# Altium PCB RK_NVR_DEMO1_RK3588_LP4XD200P232SD8_V21_20211228_final_lint.PcbDoc (part 26 of 29) (continued)
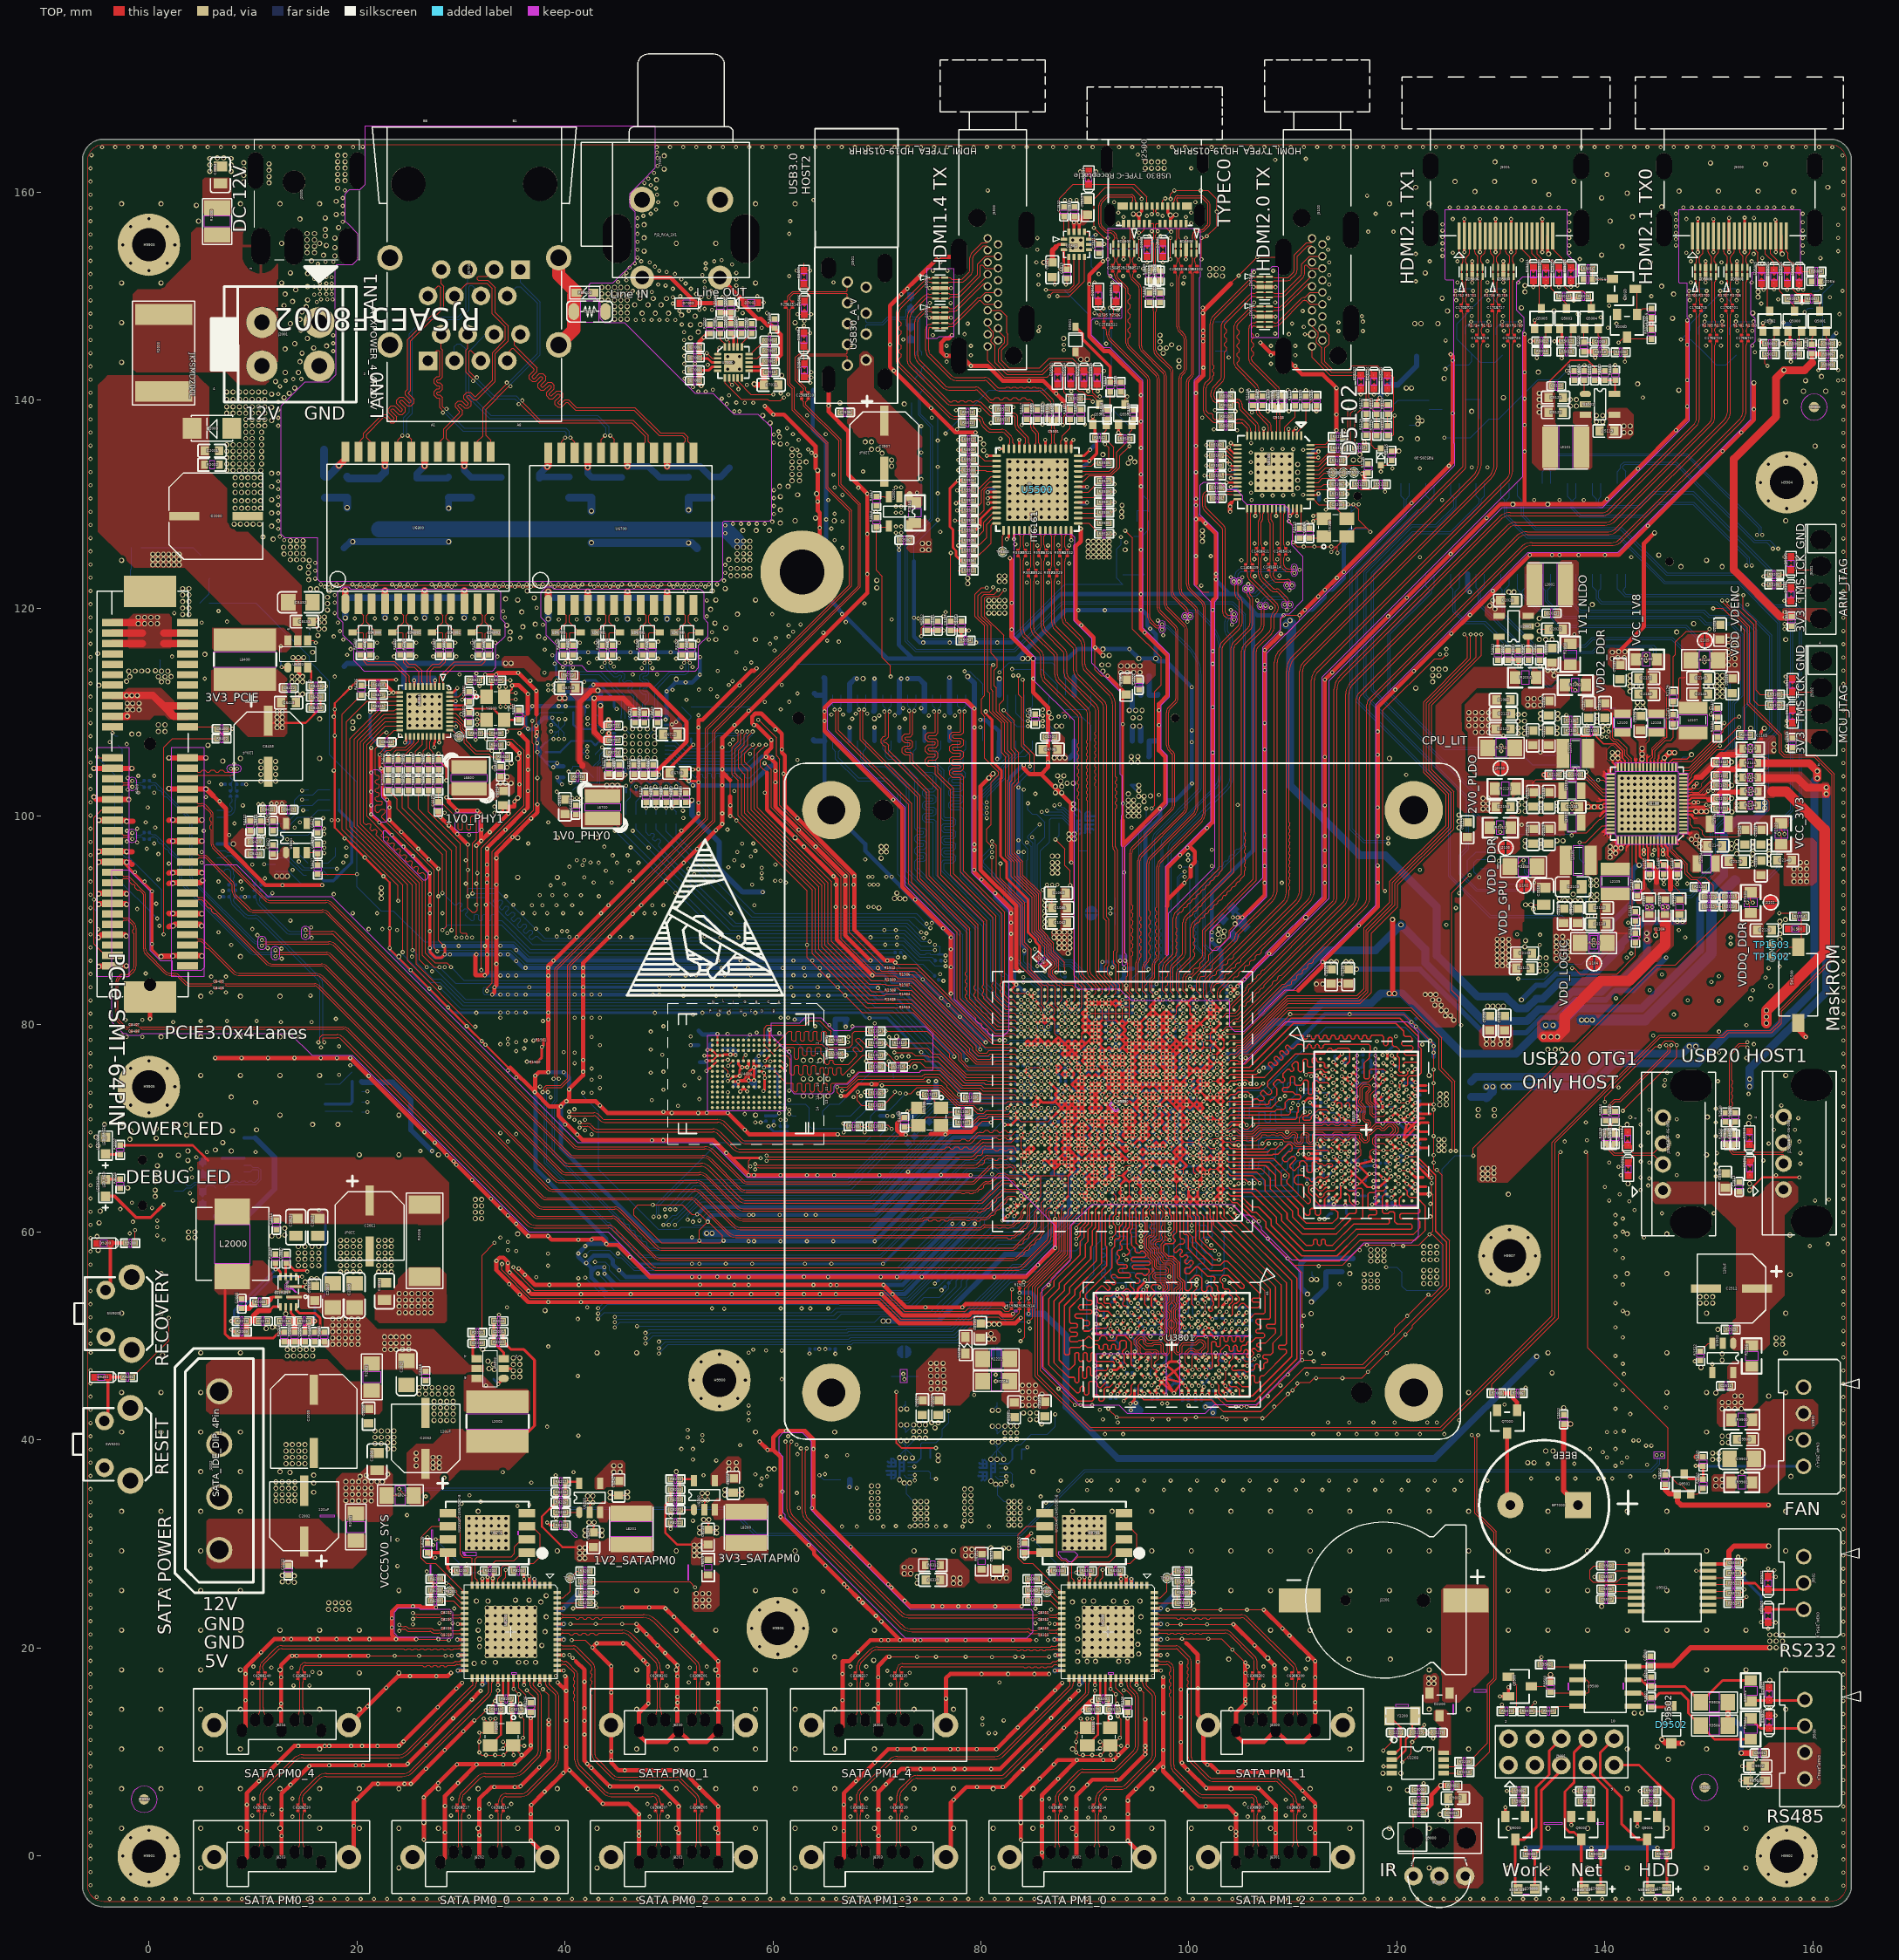
[diagram p0: TOP view]
## Nets (pads, with @x,y where several pads share a name; then routed paths per layer and width w, separated by ;. In a path a pad name is that pad's centre, name@x,y a point inside that pad or via, vN(x,y) a via of type N, cw(c..) or ccw(c..) an arc to the next point about the centre after c; other vN are vias at no path point) (continued)
  other v25: 135.323,86.297 135.932,86.297 136.44,86.297 135.323,86.906 135.932,86.907 136.44,86.907 135.323,87.414 135.932,87.415 136.44,87.415 135.323,87.922 135.932,87.923 136.44,87.923 135.323,88.43 135.932,88.431
  other v26: 92.315,68.031
  other v33: 93.616,73.231 94.266,73.231 92.965,75.83 93.616,75.83 92.966,76.481 93.616,76.481 92.316,77.131 92.966,77.131 93.616,77.131 129.805,95.714
VDD_LOGIC_P: C2132.1 C2133.1 C2134.1 J2104.1 J9800.49 L2105.2 R2122.1 R2124.1 | length 65.7
  TOP w0.102: v4(138.929,88.1) 139.234,87.795 R2122.1@140.229,87.795 ; 140.925,88.989 141.163,88.751 R2124.1@142.943,88.751 C2132.1@142.943,89.913
  BOTTOM w0.102: J9800.49@123.608,131.973 123.608,130.767 123.334,130.493 123.334,130.086 122.521,129.274 122.115,129.274 116.273,123.432 116.273,111.138 125.163,102.248 125.163,94.306 129.006,90.462 135.831,90.462 138.269,88.024 138.853,88.024 v4(138.929,88.1)
  other v3: 138.929,88.1
VDD_NPU: C1062.1 C1063.1 C1064.1 C1065.1 C1066.1 C1069.1 C1072.1 C1073.1 C1086.1 C2220.2 C2225.1 J2203.2 J9800.57 R2206.2 R2207.2 U1000.AB21 U1000.AB22 U1000.AB23 U1000.AC22 U1000.AC23 U1000.AD22 U1000.AD23 U1000.AE22 U1000.AE23 U2202.A4 | length 123.8
  TOP w0.254: U1000.AB23@90.041,75.506 v4(90.366,75.831) ; U1000.AE23@90.041,77.456 v4(90.366,77.131) ; U1000.AE22@90.691,77.456 v4(90.366,77.131) ; v4(91.016,77.781) U1000.AE22@90.691,77.456 ; U1000.AB21@91.341,75.506 v4(91.016,75.831) ; U1000.AC23@90.041,76.156 v4(90.366,76.481) ; U1000.AC23@90.041,76.156 89.716,76.481 U1000.AD23@90.041,76.806 ; U1000.AC23@90.041,76.156 v4(90.366,75.831) ; U1000.AD23@90.041,76.806 v4(90.366,76.481) ; U1000.AD23@90.041,76.806 v4(90.366,77.131) ; U1000.AD23@90.041,76.806 v4(89.716,77.131) U1000.AE23@90.041,77.456 v4(90.366,77.781) U1000.AE22@90.691,77.456 ; v4(90.366,75.831) U1000.AC22@90.691,76.156 ; v4(90.366,75.831) U1000.AB22@90.691,75.506 v3@91.016,75.83 ; v4(90.366,76.481) U1000.AC22@90.691,76.156 ; v4(90.366,76.481) U1000.AD22@90.691,76.806 ; v4(90.366,77.131) U1000.AD22@90.691,76.806 ; U1000.AC22@90.691,76.156 v4(91.016,76.481) U1000.AD22@90.691,76.806 ; U1000.AC22@90.691,76.156 v4(91.016,75.831) ; U1000.AD22@90.691,76.806 v4(91.016,77.131) U1000.AE22@90.691,77.456
  L3-POWER1 w0.089: 82.567,84.081 82.592,84.055 82.592,78.607 82.622,78.576 82.622,78.32 82.592,78.29 82.592,75.857 82.922,75.527 84.381,75.527 84.387,75.521 84.644,75.521 84.65,75.527 85.681,75.527 85.687,75.521 85.944,75.521 85.95,75.527 86.331,75.527 86.337,75.521 86.594,75.521 86.6,75.527 86.981,75.527 86.987,75.521 87.244,75.521 87.25,75.527 88.281,75.527 88.287,75.521 88.544,75.521 88.55,75.527 88.931,75.527 88.938,75.521 89.194,75.521 89.201,75.527 89.581,75.527 89.588,75.521 89.844,75.521 89.85,75.527 90.062,75.527 v4(90.366,75.831)
  L3-POWER1 w0.102: 82.567,84.081 82.567,85.179 82.491,85.255 82.491,88.837 83.1,89.446 85.234,89.446 85.742,89.954 85.742,92.698 v4(85.945,92.901)
  L6-S2 w0.102: v4(92.447,90.64) 92.574,90.767 92.752,90.767 93.171,91.186 93.171,91.872 98.772,97.473 119.067,97.473 v4(119.168,97.371)
  BOTTOM w0.102: v4(85.945,92.901) 85.742,93.104 85.742,96.66 86.612,97.531 R2207.2@86.612,98.286 C2220.2@86.612,99.302 86.612,99.664 86.758,99.81 87.815,99.81 U2202.A4@88.847,98.778 ; v4(92.447,90.64) 92.477,90.67 92.854,90.67 92.955,90.568 R2206.2@92.955,89.569 ; v4(119.168,97.371) 119.079,97.461 116.742,97.461 115.498,98.704 115.498,123.775 120.692,128.969 120.692,130.493 120.408,130.777 J9800.57@120.408,131.973
  BOTTOM w0.254: 89.357,76.899 89.484,76.899 v4(89.716,77.131) ; C1064.1@89.888,78.58 89.888,77.765 89.992,77.661 90.245,77.661 v4(90.366,77.781) 90.511,77.635 90.737,77.635 ; v4(91.016,75.831) 91.249,76.064 91.388,76.064
  other v3: 90.366,75.831 91.016,75.831 90.366,76.481 91.016,76.481 89.716,77.131 90.366,77.131 91.016,77.131 90.366,77.781 91.016,77.781 92.447,90.64 85.945,92.901 119.168,97.371
  other v7: 88.383,86.805 87.52,87.313 88.028,87.313 88.536,87.313 87.52,87.821 88.028,87.821 88.536,87.821 87.037,88.329 87.52,88.329 88.028,88.329 88.536,88.329 87.037,88.837 87.52,88.837 88.028,88.837 88.536,88.837
  other v8: 88.383,86.805 87.52,87.313 88.028,87.313 88.536,87.313 87.52,87.821 88.028,87.821 88.536,87.821 87.037,88.329 87.52,88.329 88.028,88.329 88.536,88.329 87.037,88.837 87.52,88.837 88.028,88.837 88.536,88.837
  other v12: 92.447,90.64 119.168,97.371
  other v25: 88.383,86.805 87.52,87.313 88.028,87.313 88.536,87.313 87.52,87.821 88.028,87.821 88.536,87.821 87.037,88.329 87.52,88.329 88.028,88.329 88.536,88.329 87.037,88.837 87.52,88.837 88.028,88.837 88.536,88.837
  other v26: 85.945,92.901
  other v33: 90.366,75.831 91.016,75.831 90.366,76.481 91.016,76.481 89.716,77.131 90.366,77.131 91.016,77.131 90.366,77.781 91.016,77.781
VDD_NPU_P: C2220.1 C2221.1 C2222.1 C2223.1 C2224.1 J2203.1 J9800.55 L2202.2 R2206.1 R2207.1 | length 78.5
  TOP w0.102: v4(87.164,97.752) 88.079,96.838 88.079,95.238 88.587,94.73 v4(88.587,93.358)
  L6-S2 w0.102: v4(92.447,91.148) 92.572,91.023 92.716,91.023 92.968,91.275 92.968,91.982 98.662,97.676 118.87,97.676 119.073,97.879 v4(119.168,97.879)
  BOTTOM w0.102: v4(87.164,97.752) 87.164,97.778 87.513,98.126 R2207.1@87.513,98.286 C2220.1@87.513,99.302 ; C2222.1@89.374,96.685 89.374,96.66 C2222.1@90.161,96.66 ; v4(92.447,91.148) 92.553,91.042 92.722,91.042 92.955,91.275 R2206.1@92.955,92.169 ; v4(119.168,97.879) 118.965,97.676 116.831,97.676 115.714,98.794 115.714,123.686 120.895,128.867 120.895,130.493 121.208,130.805 J9800.55@121.208,131.973
  other v3: 92.447,91.148 88.587,93.358 87.164,97.752 119.168,97.879
  other v12: 92.447,91.148 119.168,97.879
VDD_NVDD12_6161: C5528.1 C5529.1 C5530.1 FB5504.2 U5500.3 U5500.14 | length 1.8
  TOP w0.254: v4(83.187,126.632) U5500.3@83.187,127.482 ; v4(88.687,126.53) U5500.14@88.687,127.482
  other v3: 88.687,126.53 83.187,126.632
VDD_PVCC12_6161: C5516.1 C5517.1 FB5502.2 U5500.29 | length 0.9
  TOP w0.254: U5500.29@88.687,135.332 88.687,135.978 v4(88.891,136.182)
  other v3: 88.891,136.182
VDD_RDVDD12_6161: C5532.1 C5533.1 FB5505.2 U5500.2 | length 0.9
  TOP w0.254: v4(82.491,126.632) 82.687,126.828 U5500.2@82.687,127.482
  other v3: 82.491,126.632
VDD_TAVCC10: C5139.1 C5140.1 C5141.1 C5142.1 FB5103.2 U5100.4 U5100.10 | length 2
  TOP w0.203: U5100.10@107.188,136.581 v4(107.188,137.249) ; U5100.4@109.588,136.581 v4(109.588,137.232)
  BOTTOM w0.102: 107.187,136.585 107.187,137.248 v4(107.188,137.249)
  other v3: 109.588,137.232 107.188,137.249
VDD_TDVDD12_6161: C5518.1 C5519.1 FB5503.2 U5500.39 | length 0.9
  TOP w0.254: U5500.39@83.687,135.332 v4(83.687,136.182)
  other v3: 83.687,136.182
VDD_VDENC: C1043.1 C1045.1 C1046.1 C1047.1 C1048.1 C1049.1 C1050.1 C1052.1 C2143.2 C2146.1 C2173.1 J2105.2 J9800.34 R2128.2 R2129.2 U1000.R14 U1000.T14 U1000.U14 U1000.V12 U1000.V13 U1000.V14 U1000.W13 U1000.W14 U2100.24 | length 142.2
  TOP w0.102: 144.738,105.296 144.738,105.517 144.797,105.575 144.797,106.261 145.825,107.29 146.308,107.29 146.591,107.572 C2143.2@146.591,108.859 146.591,109.332 146.252,109.332 146.163,109.421 146.163,111.516 R2129.2@146.591,111.944 146.591,115.345 146.803,115.558 146.803,116.777 147.819,117.793 149.851,117.793 v4(150.055,117.996) ; v4(149.572,114.796) 149.775,114.999 R2128.2@150.572,114.999
  TOP w0.203: U2100.24@144.738,104.703 144.738,105.296
  TOP w0.254: U1000.R14@95.891,70.956 v4(96.216,71.281) U1000.T14@95.891,71.606 ; U1000.U14@95.891,72.256 v4(96.216,71.931) U1000.T14@95.891,71.606 v4(95.565,71.931) 95.89,72.256 v4(96.216,72.581) ; U1000.V14@95.891,72.906 v4(96.215,73.231) ; U1000.V14@95.891,72.906 v4(95.565,73.231) 95.89,73.556 v4(96.215,73.231) ; U1000.V14@95.891,72.906 v4(96.216,72.581) ; v4(96.216,72.581) U1000.V13@96.541,72.906 ; v4(96.215,73.231) 96.54,73.556 v4(96.865,73.231) ; v4(96.215,73.231) U1000.V13@96.541,72.906 ; U1000.V13@96.541,72.906 v4(96.865,72.581) U1000.V12@97.191,72.906 v4(96.865,73.231) ; U1000.V13@96.541,72.906 v4(96.865,73.231)
  L3-POWER1 w0.089: 100.474,77.356 100.88,77.762 101.896,77.762 102.201,78.067 103.42,78.067 105.96,80.607 105.96,81.928 107.383,83.35
  L3-POWER1 w0.102: 107.383,83.35 123.842,83.35 125.874,81.318 131.563,81.318 135.018,84.773 138.98,84.773 144.365,90.158 145.787,90.158 150.766,95.136 150.766,106.007 149.75,107.023 149.75,111.087 149.318,111.519 149.318,112.992 150.766,114.44 150.766,117.285 v4(150.055,117.996)
  BOTTOM w0.102: J9800.34@130.008,123.273 130.008,121.888 130.141,121.755 130.141,119.334 133.206,116.269 138.15,116.269 138.861,116.98 146.397,116.98 148.429,114.948 149.42,114.948 v4(149.572,114.796)
  BOTTOM w0.254: C1048.1@95.542,73.632 95.542,73.254 v4(95.565,73.231) ; v4(95.565,71.931) 95.797,71.7 C1052.1@95.797,71.539 95.825,71.539 ; C1050.1@96.152,73.632 96.152,73.295 v4(96.215,73.231) ; v4(96.216,71.281) 95.957,71.539 95.825,71.539 ; v4(96.216,71.931) 95.825,71.539 ; v4(96.865,72.581) 96.894,72.61 C1047.1@97.323,72.61 ; v4(96.865,73.231) 96.762,73.335 C1049.1@96.762,73.632 97.054,73.632 97.223,73.8 C1043.1@97.413,73.8
  other v3: 96.216,71.281 95.565,71.931 96.216,71.931 96.216,72.581 96.865,72.581 95.565,73.231 96.215,73.231 96.865,73.231 149.572,114.796 150.055,117.996
  other v7: 128.617,78.067 129.227,78.067 129.938,78.067 130.649,78.067 128.617,78.575 129.227,78.575 130.04,78.575 130.649,78.575 151.883,114.542 152.493,114.542 151.883,115.151 152.493,115.151 151.883,115.761 152.493,115.761 151.883,116.37 152.493,116.371 151.883,116.98 152.493,116.98
  other v8: 128.617,78.067 129.227,78.067 129.938,78.067 130.649,78.067 128.617,78.575 129.227,78.575 130.04,78.575 130.649,78.575 151.883,114.542 152.493,114.542 151.883,115.151 152.493,115.151 151.883,115.761 152.493,115.761 151.883,116.37 152.493,116.371 151.883,116.98 152.493,116.98
  other v19: 128.617,78.067 129.227,78.067 129.938,78.067 130.649,78.067 128.617,78.575 129.227,78.575 130.04,78.575 130.649,78.575 151.883,114.542 152.493,114.542 151.883,115.151 152.493,115.151 151.883,115.761 152.493,115.761 151.883,116.37 152.493,116.371 151.883,116.98 152.493,116.98
  other v26: 96.216,71.281 95.565,71.931 96.216,71.931 96.216,72.581 96.865,72.581 95.565,73.231 96.215,73.231 96.865,73.231 150.055,117.996
VDD_VDENC_P: C2143.1 C2144.1 C2145.1 J2105.1 J9800.32 L2107.2 R2128.1 R2129.1 | length 31.3
  TOP w0.102: C2143.1@146.591,109.759 R2129.1@146.591,111.043 146.76,111.043 147.108,111.392 147.108,113.221 147.21,113.322 147.616,113.322 147.718,113.424 ; R2128.1@148.572,114.999 149.267,114.999 v4(149.572,115.304)
  BOTTOM w0.102: J9800.32@130.808,123.273 130.808,122.219 130.344,121.755 130.344,119.418 133.291,116.472 138.066,116.472 138.777,117.183 146.481,117.183 148.513,115.151 149.42,115.151 v4(149.572,115.304)
  other v3: 149.572,115.304
VDDA0V75_IMAGE: C1709.1 C1710.1 C1711.1 C1724.1 C1725.1 C1726.1 C1727.1 J9800.18 R2142.2 U1000.AA9 U1000.AB9 U1000.AC9 U1000.AD9 | length 148.6
  TOP w0.102: v4(154.017,103.467) 154.284,103.734 R2142.2@154.701,103.734
  TOP w0.254: U1000.AA9@99.141,74.856 v4(99.465,75.181) ; U1000.AB9@99.141,75.506 v4(99.465,75.831) ; U1000.AC9@99.141,76.156 v4(99.465,76.481) ; U1000.AD9@99.141,76.806 v4(99.465,77.131)
  TOP w0.762: 155.338,103.67 158.487,103.67 159.413,102.745 v8(161.292,102.745) v8(161.292,102.135)
  L6-S2 w0.089: v4(99.465,76.481) 99.79,76.805 100.249,76.805 100.441,76.997 100.441,77.265 100.474,77.298 100.474,77.788
  L6-S2 w0.254: v4(99.465,77.131) 100.122,77.788 100.474,77.788 ; 102.125,79.058 102.125,79.109 102.709,79.693 102.887,79.693
  L6-S2 w0.508: v4(99.465,75.181) v4(99.465,75.831) v4(99.465,76.481) v4(99.465,77.131) ; 100.474,77.788 100.563,77.877 101.617,77.877 102.125,78.385 102.125,79.058 ; 102.887,79.693 103.827,79.693
  L6-S2 w0.762: 103.827,79.693 107.281,83.147 111.548,83.147 v8(112.259,83.858) v8(112.869,83.858) v8(114.495,83.858) 115.815,83.858 117.466,82.207 122.216,82.207 125.671,78.753 125.671,77.153 127.296,75.527 136.237,75.527 137.05,74.714 144.162,74.714 146.905,71.971 149.609,71.971 151.641,74.003 v8(153.915,74.003) v8(153.915,74.714)
  BOTTOM w0.102: J9800.18@136.408,123.273 136.408,121.889 136.745,121.552 136.745,120.452 137.575,119.622 149.445,119.622 149.953,119.114 152.205,119.114 153.814,117.505 153.814,110.968 153.306,110.46 153.306,103.874 153.509,103.67 153.814,103.67 v4(154.017,103.467)
  BOTTOM w0.254: 99.095,75.828 99.463,75.828 v4(99.465,75.831) 99.713,75.584 99.855,75.584 ; 99.095,76.463 99.448,76.463 v4(99.465,76.481) ; 99.095,77.077 99.411,77.077 v4(99.465,77.131) ; v4(99.465,75.181) 99.623,75.023 C1709.1@99.623,74.689
  BOTTOM w0.762: v8(153.915,74.003) v8(153.915,74.714) 153.915,75.73 161.292,83.107 v8(161.292,102.135) v8(161.292,102.745)
  other v3: 99.465,75.181 99.465,75.831 99.465,76.481 99.465,77.131 154.017,103.467
  other v7: 153.915,74.003 153.915,74.714 112.259,83.858 112.869,83.858 114.495,83.858 161.292,102.135 161.292,102.745
  other v12: 99.465,75.181 99.465,75.831 99.465,76.481 99.465,77.131
  other v22: 153.915,74.003 153.915,74.714 112.259,83.858 112.869,83.858 114.495,83.858
VDDA0V75_IMAGE_P: C2169.1 J9800.16 R2142.1 U2100.11 | length 39.9
  TOP w0.102: R2142.1@153.252,103.734 153.776,103.734 v4(154.017,103.975)
  TOP w0.152: v3@149.813,102.286 v4(149.94,102.413) C2169.1@150.585,103.058
  TOP w0.203: U2100.11@147.538,101.903 148.059,101.903 148.205,102.05 149.577,102.05 v3@149.813,102.286
  BOTTOM w0.102: J9800.16@137.208,123.273 137.208,121.913 136.948,121.654 136.948,120.536 137.659,119.825 149.547,119.825 150.055,119.317 152.29,119.317 154.017,117.59 154.017,110.884 153.509,110.376 153.509,103.975 153.611,103.874 153.915,103.874 v4(154.017,103.975)
  other v3: 149.94,102.413 150.385,102.434 152.671,103.366 152.671,103.874 154.017,103.975
  other v4: 150.385,102.434 152.671,103.366 152.671,103.874
  other v12: 149.94,102.413 150.385,102.434 152.671,103.366 152.671,103.874
VDDA_0V75: C1412.1 C1504.1 C1600.1 C1601.1 C1604.1 C1606.1 C1607.1 C1804.1 C1805.1 C1812.1 C1813.1 J9800.33 R2144.2 U1000.AA25 U1000.AB25 U1000.AD3 U1000.AG19 U1000.AH10 U1000.G24 U1000.H24 | length 414.5
  TOP w0.102: v4(153.992,101.334) 154.296,101.029 R2144.2@154.716,101.029
  TOP w0.254: v4(88.416,75.83) U1000.AB25@88.74,75.506 88.939,75.307 88.939,75.053 88.759,74.874 U1000.AA25@88.74,74.856 ; v4(89.066,65.431) U1000.G24@89.391,65.756 v4(89.716,66.081) U1000.H24@89.391,66.406 ; v4(92.316,78.43) U1000.AG19@92.641,78.756 ; U1000.AH10@98.491,79.405 v4(98.816,79.73) ; U1000.AD3@103.041,76.806 v4(103.366,77.131)
  TOP w0.508: v8(119.27,82.944) v8(119.778,82.944) 119.576,83.146 v8(119.576,90.056)
  L3-POWER1 w0.508: v8(70.603,51.448) v8(71.111,51.448)
  L4-S1 w0.406: 71.569,79.845 71.924,79.49 81.475,79.49 82.313,78.651 v4(82.313,78.448)
  L4-S1 w0.508: v8(70.603,51.448) 69.079,52.972 69.079,63.234 73.855,68.009 73.855,72.276 73.4,72.73 73.4,73.645 72.839,74.206 71.416,74.206 70.045,75.578 70.045,76.696 69.228,77.512 69.228,78.927 69.587,79.286 69.994,79.286 70.553,79.845 71.569,79.845
  L4-S1 w0.762: v8(70.603,51.448) v8(71.111,51.448) 71.111,39.866 71.823,39.154 74.261,39.154 74.871,38.545 v8(75.887,38.545) v8(75.887,38.037) ; v8(134.307,38.951) v8(135.018,38.951) 135.018,43.93 136.847,45.758 136.847,78.575 135.526,79.896 v8(135.018,79.896) v8(134.307,79.896)
  L6-S2 w0.089: 87.631,78.232 87.441,78.042 87.441,76.346 87.957,75.83 v4(88.416,75.83) 88.091,76.155 88.091,77.915 87.774,78.232 ; v4(98.816,79.73) 99.14,80.055 99.858,80.055 99.966,79.947 99.966,79.771 99.6,79.406 99.14,79.406 v4(98.816,79.73)
  L6-S2 w0.254: v4(82.313,78.448) 82.338,78.448 82.563,78.673 86.888,78.673 87.329,78.232 87.631,78.232 87.774,78.232 ; v4(92.316,78.43) 92.287,78.43 91.909,78.809 91.909,80.153 92.456,80.7 92.456,81.266 92.735,81.546 ; 99.966,79.947 100.358,80.339
  L6-S2 w0.305: 92.447,85.992 92.143,85.687 92.143,85.23 v4(92.498,84.874) 92.735,84.637 92.735,81.546
  L6-S2 w0.406: 103.623,80.912 107.281,84.57 116.933,84.57 118.559,82.944 v8(119.27,82.944) v8(119.778,82.944)
  L6-S2 w0.508: 92.447,85.992 92.447,87.296 96.833,91.682 117.746,91.682 119.371,90.056 v8(119.576,90.056)
  L6-S2 w0.762: v8(75.887,38.545) v8(75.887,38.037) 76.903,38.037 77.751,38.885 83.471,38.885 84.015,38.342 85.031,38.342 85.335,38.037 128.058,38.037 128.973,38.951 v8(134.307,38.951) v8(135.018,38.951)
  BOTTOM w0.089: 88.528,63.716 88.617,63.805 89.199,63.805 89.39,63.996 89.39,64.265 ; 88.694,64.456 89.199,64.456 ; v4(89.066,65.431) 89.066,65.239 89.39,64.915 89.39,64.646 ; 89.199,64.456 89.39,64.265 ; 89.199,64.456 89.39,64.646 ; 89.39,64.265 89.39,64.646
  BOTTOM w0.102: J9800.33@130.008,131.973 130.008,130.727 130.344,130.391 130.344,128.867 132.478,126.734 141.317,126.734 145.686,122.365 152.815,122.365 156.659,118.521 156.659,108.344 155.541,107.226 155.541,102.756 154.627,101.842 154.627,101.334 154.423,101.13 154.195,101.13 v4(153.992,101.334)
  BOTTOM w0.203: C1604.1@122.19,80.886 122.368,81.065
  BOTTOM w0.254: C1600.1@88.013,75.778 88.363,75.778 v4(88.416,75.83) 88.694,75.552 C1601.1@88.702,75.552 ; 88.637,64.512 88.694,64.455 ; C1606.1@91.923,78.651 92.095,78.651 v4(92.316,78.43) ; C1607.1@92.088,85.281 92.494,84.874 v4(92.498,84.874) ; C1412.1@98.677,79.335 98.677,79.591 v4(98.816,79.73) ; v4(103.366,77.131) 103.384,77.149 C1504.1@103.776,77.149 103.801,77.174 104.436,77.174
  BOTTOM w0.305: C1805.1@88.528,62.968 88.528,63.716 88.528,63.899 88.587,63.957 88.587,64.348 88.637,64.399 ; 88.694,64.455 88.637,64.399 ; v4(89.716,66.081) 89.443,66.081 89.066,65.704 v4(89.066,65.431) 89.028,65.393 C1813.1@88.607,65.393 88.607,64.542 88.637,64.512 88.637,64.399 ; 104.436,77.174 104.661,77.174 104.944,77.458 105.452,77.458
  BOTTOM w0.508: v8(70.603,51.448) v8(71.111,51.448) 75.912,51.448 82.313,57.849 84.497,57.849 88.528,61.879 C1805.1@88.528,62.968
  BOTTOM w0.762: 105.452,77.458 108.195,80.201 110.964,80.201 112.793,82.03 117.543,82.03 118.457,82.944 v8(119.27,82.944) v8(119.778,82.944) 120.489,82.944 122.368,81.065 126.28,77.153 131.441,77.153 134.185,79.896 v8(134.307,79.896) v8(135.018,79.896) 135.729,79.896 137.355,81.522 143.552,81.522 149.14,87.11 149.14,91.986 151.452,94.298 151.452,98.362 152.798,99.708 154.423,99.708 155.368,100.652 v8(155.368,100.775) v8(155.368,101.283)
  other v3: 89.066,65.431 89.716,66.081 88.416,75.83 103.366,77.131 92.316,78.43 82.313,78.448 98.816,79.73 92.498,84.874 153.992,101.334
  other v7: 75.887,38.037 75.887,38.545 134.307,38.951 135.018,38.951 70.603,51.448 71.111,51.448 134.307,79.896 135.018,79.896 119.27,82.944 119.778,82.944 119.576,90.056 155.368,100.775 155.368,101.283
  other v12: 88.416,75.83 92.316,78.43 82.313,78.448 98.816,79.73 92.498,84.874
  other v17: 82.313,78.448
  other v20: 75.887,38.037 75.887,38.545 134.307,38.951 135.018,38.951 134.307,79.896 135.018,79.896
  other v22: 75.887,38.037 75.887,38.545 134.307,38.951 135.018,38.951 119.27,82.944 119.778,82.944 119.576,90.056
  other v25: 70.603,51.448 71.111,51.448
VDDA_0V75_P: C2172.1 J9800.31 R2144.1 U2100.8 | length 56.5
  TOP w0.102: R2144.1@153.267,101.029 153.788,101.029 v4(153.992,100.826)
  TOP w0.152: v3@150.105,100.927 v4(150.131,100.953) 150.481,100.953 C2172.1@150.684,100.749
  TOP w0.203: U2100.8@147.538,100.853 148.406,100.853 148.48,100.927 149.547,100.927 149.572,100.953
  BOTTOM w0.102: J9800.31@130.808,131.973 130.808,130.652 130.547,130.391 130.547,128.969 132.579,126.937 141.401,126.937 145.77,122.568 152.899,122.568 156.862,118.606 156.862,108.242 155.744,107.125 155.744,102.654 154.83,101.74 154.83,101.232 154.423,100.826 v4(153.992,100.826)
  other v3: 152.671,100.807 153.992,100.826 150.131,100.953 149.75,101.08 152.671,101.207
  other v4: 152.671,100.807 149.75,101.08 152.671,101.207
  other v12: 152.671,100.807 150.131,100.953 149.75,101.08 152.671,101.207
VDDA_0V75_PMU: C1105.1 C1106.1 C1110.1 C1111.1 J9800.12 R2139.2 U1000.P27 U1000.V20 | length 130
  TOP w0.102: v4(153.977,106.795) 154.281,106.49 R2139.2@154.701,106.49
  TOP w0.254: v4(87.116,69.981) U1000.P27@87.441,70.306 ; U1000.V20@91.991,72.906 v4(92.316,73.231)
  L6-S2 w0.089: 92.316,73.44 v4(92.316,73.231) ; v4(92.316,73.231) 92.125,73.231 91.8,72.906 91.401,72.906 90.695,72.2 89.793,72.2 88.55,70.956 88.282,70.956 87.306,69.981 v4(87.116,69.981) 87.441,69.656 87.9,69.656 88.09,69.846 88.09,70.115 88.281,70.306 88.549,70.306 88.74,70.497 88.74,70.764 89.668,71.692 91.236,71.692 91.99,72.446 91.99,72.906 v4(92.316,73.231)
  L6-S2 w0.762: 90.212,84.163 90.212,86.398 96.308,92.494 118.152,92.494 118.762,91.885 119.371,91.885 123.232,88.024 125.569,88.024 129.227,84.366 130.141,84.366 131.259,83.249 132.681,83.249 133.392,82.538 135.196,82.538 137.329,80.404 v8(137.761,80.404)
  L6-S2 w1.016: v8(137.761,80.404) v8(138.269,80.404) v8(138.777,80.404)
  BOTTOM w0.102: J9800.12@138.808,123.273 138.808,122.029 139.183,121.653 139.183,120.858 139.607,120.434 150.681,120.434 151.291,119.825 152.391,119.825 154.423,117.793 154.423,106.82 154.322,106.718 154.053,106.718 v4(153.977,106.795)
  BOTTOM w0.254: C1110.1@87.113,71.21 86.656,70.753 86.656,70.558 C1111.1@86.606,70.508 86.606,70.491 v4(87.116,69.981) ; v4(92.316,73.231) 92.548,73.463 C1106.1@92.548,73.572
  BOTTOM w1.016: v8(137.761,80.404) v8(138.269,80.404) v8(138.777,80.404) 143.857,80.404 150.258,86.805 150.258,91.58 152.493,93.815
  other v3: 87.116,69.981 92.316,73.231 153.977,106.795
  other v7: 137.761,80.404 138.269,80.404 138.777,80.404 156.252,106.312 156.252,106.922
  other v8: 156.252,106.312 156.252,106.922
  other v12: 87.116,69.981 92.316,73.231
  other v22: 137.761,80.404 138.269,80.404 138.777,80.404
VDDA_0V75_PMU_P: C2164.1 J9800.10 R2139.1 U2100.14 | length 39.1
  TOP w0.102: R2139.1@153.252,106.49 153.773,106.49 v4(153.977,106.287)
  TOP w0.203: U2100.14@147.538,102.953 147.976,102.953 148.759,103.736
  TOP w0.508: 148.759,103.736 149.226,103.736 C2164.1@150.684,105.194 150.684,105.443 151.147,105.906 152.667,105.906 R2139.1@153.252,106.49
  BOTTOM w0.102: J9800.10@139.608,123.273 139.608,121.875 139.387,121.653 139.387,120.942 139.691,120.638 150.766,120.638 151.375,120.028 152.493,120.028 154.627,117.894 154.627,106.718 154.423,106.515 154.205,106.515 v4(153.977,106.287)
  other v3: 153.977,106.287
VDDA_0V85: C1404.1 C1405.1 C1419.1 C1420.1 C1801.1 C1808.1 C1816.1 J9800.6 R2143.2 U1000.AH13 U1000.AH14 U1000.AJ13 U1000.AJ14 U1000.K28 U1000.L28 U1000.M28 | length 326.2
  TOP w0.102: v4(154.017,102.68) 154.322,102.375 R2143.2@154.742,102.375
  TOP w0.254: v4(86.466,67.381) U1000.K28@86.791,67.705 86.465,68.031 U1000.L28@86.791,68.356 v4(86.466,68.681) 86.791,69.006 v4(86.466,69.331) ; U1000.AH14@95.891,79.405 v4(96.215,79.731) ; v4(96.865,80.381) U1000.AJ13@96.541,80.056 ; v4(96.215,79.731) U1000.AH13@96.541,79.405 v4(96.865,79.731) U1000.AJ13@96.541,80.056 ; v4(96.215,79.731) U1000.AJ14@95.891,80.056 v4(96.215,80.381) U1000.AJ13@96.54,80.056 ; v4(96.215,79.731) U1000.AJ13@96.541,80.056
  TOP w1.016: v8(155.531,80.089) v8(155.531,80.698) v8(155.531,81.308) 161.129,86.906 161.129,98.692 157.446,102.375 156.125,102.375
  L4-S1 w0.762: v8(54.144,59.881) v8(53.636,59.881) 53.636,55.334 60.164,48.806 60.164,38.57 59.631,38.037 v8(59.631,37.224) v8(60.139,37.224) ; v8(132.579,37.834) v8(133.189,37.834) 133.189,39.358 134.002,40.17 134.002,44.234 135.831,46.063 135.831,66.282 135.018,67.094 135.018,75.324 134.51,75.832 v8(134.51,77.559) v8(135.221,77.559) v8(135.831,77.559)
  L6-S2 w0.254: v4(96.865,79.731) v4(96.215,79.731) v4(96.215,80.381) v3@96.285,80.381 ; v4(96.865,80.381) v3@96.285,80.381 ; 97.121,81.217 v3@96.285,80.381
  L6-S2 w0.508: 98.34,83.96 100.88,86.5 105.351,86.5
  L6-S2 w0.762: v8(59.631,37.224) v8(60.139,37.224) 61.155,37.224 62.679,35.7 66.336,35.7 66.946,36.31 70.502,36.31 71.95,34.862 75.353,34.862 76.572,36.081 79.417,36.081 80.814,34.684 82.211,34.684 82.414,34.887 84.827,34.887 86.758,36.818 128.414,36.818 129.43,37.834 v8(132.579,37.834) v8(133.189,37.834)
  L6-S2 w1.016: 105.351,86.5 106.57,87.719 108.297,87.719 109.11,86.906 116.019,86.906 119.067,83.858 123.943,83.858 126.687,81.115 126.687,80.709 127.499,79.896 127.499,77.762 128.515,76.746 133.087,76.746 133.9,77.559 v8(134.51,77.559) v8(135.221,77.559) v8(135.831,77.559) 136.135,77.559 137.253,76.442 150.055,76.442 150.563,75.934 154.322,75.934 155.338,76.95 155.338,79.896 v8(155.531,80.089) v8(155.531,80.698) v8(155.531,81.308)
  BOTTOM w0.102: J9800.6@141.208,123.273 141.215,123.265 141.215,121.857 141.927,121.146 152.002,121.146 155.846,117.302 155.846,108.344 154.931,107.43 154.931,103.118 154.366,102.553 154.144,102.553 v4(154.017,102.68)
  BOTTOM w0.254: 86.195,67.04 86.466,67.311 v4(86.466,67.381) ; 95.843,80.622 95.974,80.622 v4(96.215,80.381) 95.857,80.022 95.843,80.022 96.134,79.731 v4(96.215,79.731) ; v4(96.865,79.731) 96.881,79.731 97.248,80.098 96.966,80.381 v4(96.865,80.381) 97.208,80.723 97.248,80.723
  BOTTOM w0.508: 83.443,67.856 83.507,67.92
  BOTTOM w0.762: v8(53.636,59.881) v8(54.144,59.881) 69.486,59.881 77.525,67.92 83.049,67.92 C1801.1@83.1,67.869
  other v3: 86.466,67.381 86.466,68.681 86.466,69.331 96.215,79.731 96.865,79.731 96.215,80.381 96.865,80.381 154.017,102.68
  other v7: 59.631,37.224 60.139,37.224 132.579,37.834 133.189,37.834 53.636,59.881 54.144,59.881 134.51,77.559 135.221,77.559 135.831,77.559 155.531,80.089 155.531,80.698 155.531,81.308
  other v12: 96.215,79.731 96.865,79.731 96.215,80.381 96.865,80.381
  other v20: 59.631,37.224 60.139,37.224 132.579,37.834 133.189,37.834 53.636,59.881 54.144,59.881 134.51,77.559 135.221,77.559 135.831,77.559
  other v22: 59.631,37.224 60.139,37.224 132.579,37.834 133.189,37.834 134.51,77.559 135.221,77.559 135.831,77.559 155.531,80.089 155.531,80.698 155.531,81.308
VDDA_0V85_P: C2170.1 J9800.4 R2143.1 U2100.10 | length 41.1
  TOP w0.102: R2143.1@153.292,102.375 153.814,102.375 v4(154.017,102.172)
  TOP w0.152: 149.848,101.715 149.975,101.588
  TOP w0.203: U2100.10@147.538,101.553 148.14,101.553 148.328,101.74 149.823,101.74 149.848,101.715
  TOP w0.508: 149.975,101.588 150.608,101.588 C2170.1@150.684,101.664 150.684,101.816 151.192,102.324 R2143.1@153.242,102.324
  BOTTOM w0.102: J9800.4@142.008,123.273 142.008,122.04 141.774,121.806 141.774,121.585 142.011,121.349 152.087,121.349 156.049,117.386 156.049,108.242 155.135,107.328 155.135,103.01 154.474,102.35 154.195,102.35 v4(154.017,102.172)
  other v3: 154.017,102.172
VDDA_DDR_PLL: C1215.1 C1218.1 R2141.2 U1000.L15 U1000.N12 | length 103.7
  TOP w0.254: v4(94.915,68.031) U1000.L15@95.241,68.356 ; U1000.N12@97.191,69.656 97.514,69.332 v4(97.514,69.33)
  TOP w0.762: R2141.2@154.701,105.093 159.639,105.093 v8(160.418,104.314) v8(160.418,103.654)
  L6-S2 w0.089: 95.8,68.212 95.945,68.356 96.35,68.356 96.408,68.415 96.613,68.415 ; 99.153,69.025 99.153,69.185 99.141,69.196 99.141,69.465 99.153,69.477 99.153,70.955 99.356,71.158 ; 100.575,74.714 100.474,74.816 100.474,75.013 100.441,75.046 100.441,75.315 100.474,75.348 100.474,75.426 100.575,75.527 ; 101.591,74.816 101.693,74.714 101.693,74.713 101.74,74.665 101.74,74.397 101.693,74.349 101.693,74.063 101.74,74.015 101.74,73.746 101.693,73.699 101.693,73.394 ; 103.115,76.848 103.189,76.848 103.231,76.806 103.5,76.806 103.542,76.848 103.623,76.848 103.725,76.95
  L6-S2 w0.254: v4(94.915,68.031) 95.067,68.031 95.191,67.907
  L6-S2 w0.508: 103.827,77.864 104.639,77.864 108.399,81.623 116.019,81.623 116.831,80.81 121.58,80.81 124.229,78.161 124.229,76.072 127.111,73.19 129.633,73.19 130.243,73.8 v8(130.243,74.003) v8(130.751,74.003)
  BOTTOM w0.254: C1215.1@94.661,68.408 94.661,68.285 v4(94.915,68.031) ; C1218.1@97.291,69.727 97.291,69.553 v4(97.514,69.33)
  BOTTOM w0.762: v8(130.243,74.003) v8(130.751,74.003) 138.675,74.003 140.911,76.238 148.937,76.238 151.782,79.083 155.947,79.083 160.135,83.27 160.135,103.37 v8(160.418,103.654) v8(160.418,104.314)
  other v3: 94.915,68.031 97.514,69.33
  other v7: 130.243,74.003 130.751,74.003 160.418,103.654 160.418,104.314
  other v12: 94.915,68.031 97.514,69.33
  other v22: 130.243,74.003 130.751,74.003
VDDA_DDR_PLL_P: C2168.1 R2141.1 U2100.12 | length 7
  TOP w0.102: U2100.12@147.538,102.253 147.976,102.253 148.027,102.304 149.069,102.304 150.639,103.874 C2168.1@150.684,103.874
  TOP w0.508: C2168.1@150.684,103.874 150.684,104.046 151.075,104.437 151.094,104.437 151.162,104.504 152.663,104.504 R2141.1@153.252,105.093

## Text inside footprints (layer, text, board x,y; h text height)
C3872: PIN_NUMBER "2" at 91.736,53.219 h0.25 r90; PIN_NUMBER "1" at 91.736,52.319 h0.25 r90; ASSEMBLY_TOP "1uF" at 91.66,52.769 h0.25 r270
C3873: PIN_NUMBER "2" at 103.605,49.975 h0.25 r180; PIN_NUMBER "1" at 104.505,49.975 h0.25 r180; ASSEMBLY_TOP "1uF" at 103.852,49.847 h0.25 r180
C3874: PIN_NUMBER "2" at 93.612,50.229 h0.64 r270; PIN_NUMBER "1" at 93.112,50.229 h0.64 r90; ASSEMBLY_TOP "100nF" at 93.108,50.102 h0.25 r180
C3875: PIN_NUMBER "2" at 101.011,45.631 h0.64 r90; PIN_NUMBER "1" at 101.511,45.631 h0.64 r270; ASSEMBLY_TOP "100nF" at 101.007,45.504 h0.25 r180
C3876: PIN_NUMBER "2" at 92.371,53.281 h0.64 r180; PIN_NUMBER "1" at 92.371,53.781 h0.64; ASSEMBLY_TOP "100nF" at 92.244,53.53 h0.25 r270
C3877: PIN_NUMBER "2" at 92.346,47.185 h0.64 r180; PIN_NUMBER "1" at 92.346,47.685 h0.64; ASSEMBLY_TOP "100nF" at 92.219,47.435 h0.25 r270
C3878: PIN_NUMBER "2" at 102.908,51.753 h0.64 r270; PIN_NUMBER "1" at 102.408,51.753 h0.64 r90; ASSEMBLY_TOP "100nF" at 102.404,51.626 h0.25 r180
C3879: PIN_NUMBER "2" at 93.797,46.47 h0.64 r90; PIN_NUMBER "1" at 94.298,46.47 h0.64 r270; ASSEMBLY_TOP "100nF" at 93.794,46.343 h0.25 r180
C3880: PIN_NUMBER "2" at 102.76,48.193 h0.64; PIN_NUMBER "1" at 102.76,47.693 h0.64 r180; ASSEMBLY_TOP "100nF" at 102.633,47.943 h0.25 r270
C3881: PIN_NUMBER "2" at 92.219,44.028 h0.64 r90; PIN_NUMBER "1" at 92.719,44.028 h0.64 r270; ASSEMBLY_TOP "100nF" at 92.215,43.901 h0.25 r180
C3882: PIN_NUMBER "2" at 105.073,46.438 h0.64 r270; PIN_NUMBER "1" at 104.573,46.438 h0.64 r90; ASSEMBLY_TOP "100nF" at 104.569,46.311 h0.25 r180
C3883: PIN_NUMBER "2" at 103.776,45.526 h0.64; PIN_NUMBER "1" at 103.776,45.026 h0.64 r180; ASSEMBLY_TOP "100nF" at 103.649,45.276 h0.25 r270
C3884: PIN_NUMBER "2" at 103.674,53.662 h0.64 r180; PIN_NUMBER "1" at 103.674,54.162 h0.64; ASSEMBLY_TOP "100nF" at 103.547,53.911 h0.25 r270
C3885: PIN_NUMBER "2" at 93.362,47.439 h0.64 r180; PIN_NUMBER "1" at 93.362,47.939 h0.64; ASSEMBLY_TOP "100nF" at 93.235,47.689 h0.25 r270
C3886: PIN_NUMBER "2" at 91.711,50.733 h0.64; PIN_NUMBER "1" at 91.711,50.233 h0.64 r180; ASSEMBLY_TOP "100nF" at 91.584,50.483 h0.25 r270
C3887: PIN_NUMBER "2" at 105.169,52.769 h0.64 r270; PIN_NUMBER "1" at 104.669,52.769 h0.64 r90; ASSEMBLY_TOP "100nF" at 104.665,52.642 h0.25 r180
C3888: PIN_NUMBER "2" at 95.136,44.895 h0.64 r270; PIN_NUMBER "1" at 94.636,44.895 h0.64 r90; ASSEMBLY_TOP "1nF" at 94.835,44.768 h0.25 r180
C4000: PIN_NUMBER "2" at 53.89,79 h0.25 r90; PIN_NUMBER "1" at 53.89,78.1 h0.25 r90; ASSEMBLY_TOP "100nF" at 53.611,78.55 h0.25 r270
C4001: PIN_NUMBER "2" at 52.874,75.433 h0.25 r270; PIN_NUMBER "1" at 52.874,76.333 h0.25 r270; ASSEMBLY_TOP "100nF" at 52.595,75.883 h0.25 r270
C4002: PIN_NUMBER "2" at 59.656,74.798 h0.25 r270; PIN_NUMBER "1" at 59.656,75.698 h0.25 r270; ASSEMBLY_TOP "100nF" at 59.377,75.248 h0.25 r270
C4003: PIN_NUMBER "2" at 56.176,78.492 h0.25 r90; PIN_NUMBER "1" at 56.176,77.592 h0.25 r90; ASSEMBLY_TOP "100nF" at 55.897,78.042 h0.25 r270
C4004: PIN_NUMBER "2" at 52.747,79.377 h0.25 r90; PIN_NUMBER "1" at 52.747,77.977 h0.25 r90; ASSEMBLY_TOP "4.7uF" at 52.468,78.677 h0.25 r270
C4005: PIN_NUMBER "2" at 56.176,73.045 h0.25 r270; PIN_NUMBER "1" at 56.176,73.945 h0.25 r270; ASSEMBLY_TOP "100nF" at 55.897,73.495 h0.25 r270
C4006: PIN_NUMBER "2" at 57.25,75.248 h0.25 r180; PIN_NUMBER "1" at 58.15,75.248 h0.25 r180; ASSEMBLY_TOP "100nF" at 57.294,75.121 h0.25 r180
C4007: PIN_NUMBER "2" at 58.183,72.516 h0.25 r270; PIN_NUMBER "1" at 58.183,73.916 h0.25 r270; ASSEMBLY_TOP "4.7uF" at 57.903,73.216 h0.25 r270
C4008: PIN_NUMBER "2" at 60.309,78.423 h0.25; PIN_NUMBER "1" at 59.409,78.423 h0.25; ASSEMBLY_TOP "2.2uF" at 59.453,78.296 h0.25 r180
C4009: PIN_NUMBER "2" at 56.176,75.179 h0.25 r270; PIN_NUMBER "1" at 56.176,76.079 h0.25 r270; ASSEMBLY_TOP "100nF" at 55.897,75.629 h0.25 r270
C4010: PIN_NUMBER "2" at 54.855,73.451 h0.25 r270; PIN_NUMBER "1" at 54.855,74.352 h0.25 r270; ASSEMBLY_TOP "10pF" at 54.678,73.902 h0.25 r270
C4300: PIN_NUMBER "2" at 67.929,80.455 h0.25; PIN_NUMBER "1" at 67.029,80.455 h0.25; ASSEMBLY_TOP "100nF" at 67.073,80.328 h0.25 r180
C4301: PIN_NUMBER "2" at 64.997,80.455 h0.25 r180; PIN_NUMBER "1" at 65.897,80.455 h0.25 r180; ASSEMBLY_TOP "1uF" at 65.244,80.328 h0.25 r180
C4700: PIN_NUMBER "2" at 93.87,111.708 h0.25 r270; PIN_NUMBER "1" at 93.87,113.108 h0.25 r270; ASSEMBLY_TOP "10uF" at 93.692,112.408 h0.25 r90
C4701: PIN_NUMBER "2" at 95.089,112.161 h0.25 r270; PIN_NUMBER "1" at 95.089,113.061 h0.25 r270; ASSEMBLY_TOP "100nF" at 94.81,112.611 h0.25 r90
C4702: PIN_NUMBER "2" at 96.095,102.744 h0.25 r270; PIN_NUMBER "1" at 96.095,104.394 h0.25 r270; ASSEMBLY_TOP "10uF" at 95.918,103.569 h0.25 r270
C4703: PIN_NUMBER "2" at 94.317,102.996 h0.25 r270; PIN_NUMBER "1" at 94.317,104.396 h0.25 r270; ASSEMBLY_TOP "100nF" at 94.038,103.696 h0.25 r270
C4704: PIN_NUMBER "2" at 89.298,115.648 h0.25 r90; PIN_NUMBER "1" at 89.298,114.248 h0.25 r90; ASSEMBLY_TOP "10uF" at 89.12,114.948 h0.25 r270
C4705: PIN_NUMBER "2" at 90.517,115.195 h0.25 r90; PIN_NUMBER "1" at 90.517,114.295 h0.25 r90; ASSEMBLY_TOP "100nF" at 90.238,114.745 h0.25 r270
C4706: PIN_NUMBER "2" at 85.855,106.414 h0.25 r180; PIN_NUMBER "1" at 87.255,106.414 h0.25 r180; ASSEMBLY_TOP "10uF" at 86.25,106.287 h0.25
C4707: PIN_NUMBER "2" at 86.104,107.633 h0.25 r180; PIN_NUMBER "1" at 87.005,107.633 h0.25 r180; ASSEMBLY_TOP "100nF" at 86.148,107.506 h0.25
C5000: PIN_NUMBER "2" at 155.661,153.175 h0.25 r180; PIN_NUMBER "1" at 156.561,153.175 h0.25 r180; ASSEMBLY_TOP "1uF" at 155.908,153.048 h0.25 r180
C5001: PIN_NUMBER "2" at 133.715,153.429 h0.25 r180; PIN_NUMBER "1" at 134.615,153.429 h0.25 r180; ASSEMBLY_TOP "1uF" at 133.962,153.302 h0.25 r180
C5003: PIN_NUMBER "2" at 161.782,145.428 h0.25; PIN_NUMBER "1" at 160.882,145.428 h0.25; ASSEMBLY_TOP "100pF" at 160.926,145.301 h0.25
C5005: PIN_NUMBER "2" at 139.837,145.631 h0.25; PIN_NUMBER "1" at 138.936,145.631 h0.25; ASSEMBLY_TOP "100pF" at 138.98,145.504 h0.25
C5100: PIN_NUMBER "1" at 102.12,131.589 h0.25; PIN_NUMBER "2" at 103.02,131.589 h0.25; ASSEMBLY_TOP "100nF" at 102.164,131.462 h0.25
C5101: PIN_NUMBER "2" at 103.042,130.573 h0.25; PIN_NUMBER "1" at 102.142,130.573 h0.25; ASSEMBLY_TOP "100nF" at 102.186,130.446 h0.25
C5102: PIN_NUMBER "2" at 118.559,145.675 h0.25 r90; PIN_NUMBER "1" at 118.559,144.775 h0.25 r90; ASSEMBLY_TOP "1uF" at 118.482,145.225 h0.25 r270
C5103: PIN_NUMBER "1" at 108.084,138.316 h0.64 r270; PIN_NUMBER "2" at 108.584,138.316 h0.64 r90; ASSEMBLY_TOP "0.5pF" at 108.081,138.189 h0.25
C5104: PIN_NUMBER "2" at 111.502,127.66 h0.25 r90; PIN_NUMBER "1" at 111.502,126.76 h0.25 r90; ASSEMBLY_TOP "18pF" at 111.324,127.21 h0.25 r90
C5105: PIN_NUMBER "2" at 114.6,129.955 h0.25; PIN_NUMBER "1" at 113.7,129.955 h0.25; ASSEMBLY_TOP "18pF" at 113.846,129.828 h0.25
C5106: PIN_NUMBER "2" at 114.6,131.925 h0.25; PIN_NUMBER "1" at 113.7,131.925 h0.25; ASSEMBLY_TOP "100nF" at 113.744,131.798 h0.25
C5107: PIN_NUMBER "2" at 121.099,136.194 h0.25 r270; PIN_NUMBER "1" at 121.099,137.594 h0.25 r270; ASSEMBLY_TOP "10uF" at 120.921,136.894 h0.25 r270
C5108: PIN_NUMBER "2" at 121.059,140.018 h0.25 r90; PIN_NUMBER "1" at 121.059,139.118 h0.25 r90; ASSEMBLY_TOP "100nF" at 120.78,139.568 h0.25 r270
C5109: PIN_NUMBER "2" at 114.596,136.273 h0.25 r90; PIN_NUMBER "1" at 114.596,134.873 h0.25 r90; ASSEMBLY_TOP "10uF" at 114.418,135.573 h0.25 r270
C5110: PIN_NUMBER "2" at 110.426,135.685 h0.25 r270; PIN_NUMBER "1" at 110.426,136.585 h0.25 r270; ASSEMBLY_TOP "1uF" at 110.35,136.135 h0.25 r270
C5111: PIN_NUMBER "2" at 111.43,135.685 h0.25 r270; PIN_NUMBER "1" at 111.43,136.585 h0.25 r270; ASSEMBLY_TOP "100nF" at 111.15,136.135 h0.25 r270
C5112: PIN_NUMBER "2" at 105.381,132.491 h0.25; PIN_NUMBER "1" at 104.481,132.491 h0.25; ASSEMBLY_TOP "100nF" at 104.524,132.364 h0.25 r180
C5113: PIN_NUMBER "2" at 105.381,134.498 h0.25; PIN_NUMBER "1" at 104.481,134.498 h0.25; ASSEMBLY_TOP "100nF" at 104.524,134.371 h0.25 r180
C5114: PIN_NUMBER "2" at 128.762,140.145 h0.25; PIN_NUMBER "1" at 127.862,140.145 h0.25; ASSEMBLY_TOP "100nF" at 127.906,140.018 h0.25 r180
C5115: PIN_NUMBER "2" at 103.221,130.557 h0.25 r270; PIN_NUMBER "1" at 103.221,131.457 h0.25 r270; ASSEMBLY_TOP "1uF" at 103.145,131.007 h0.25 r270
C5116: PIN_NUMBER "2" at 102.203,130.557 h0.25 r270; PIN_NUMBER "1" at 102.203,131.457 h0.25 r270; ASSEMBLY_TOP "100nF" at 101.924,131.007 h0.25 r270
C5117: PIN_NUMBER "2" at 108.447,130.429 h0.25 r90; PIN_NUMBER "1" at 108.447,129.529 h0.25 r90; ASSEMBLY_TOP "100nF" at 108.167,129.979 h0.25 r270
C5118: PIN_NUMBER "2" at 109.45,130.429 h0.25 r90; PIN_NUMBER "1" at 109.45,129.529 h0.25 r90; ASSEMBLY_TOP "100nF" at 109.17,129.979 h0.25 r270
C5119: PIN_NUMBER "2" at 139.405,137.035 h0.25 r180; PIN_NUMBER "1" at 140.805,137.035 h0.25 r180; ASSEMBLY_TOP "10uF" at 139.8,136.908 h0.25
C5120: PIN_NUMBER "1" at 138.916,142.821 h0.25 r270; PIN_NUMBER "2" at 138.916,141.92 h0.25 r270; ASSEMBLY_TOP "100pF" at 138.637,142.371 h0.25 r90
C5121: PIN_NUMBER "2" at 135.861,140.258 h0.25; PIN_NUMBER "1" at 134.461,140.258 h0.25; ASSEMBLY_TOP "22uF" at 134.856,140.131 h0.25
C5122: PIN_NUMBER "2" at 135.861,138.835 h0.25; PIN_NUMBER "1" at 134.461,138.835 h0.25; ASSEMBLY_TOP "10uF" at 134.856,138.708 h0.25
C5123: PIN_NUMBER "2" at 135.671,141.364 h0.25; PIN_NUMBER "1" at 134.771,141.364 h0.25; ASSEMBLY_TOP "100nF" at 134.815,141.237 h0.25
C5124: PIN_NUMBER "2" at 105.381,133.494 h0.25; PIN_NUMBER "1" at 104.481,133.494 h0.25; ASSEMBLY_TOP "100nF" at 104.524,133.368 h0.25 r180
C5125: PIN_NUMBER "2" at 112.416,129.529 h0.25 r270; PIN_NUMBER "1" at 112.416,130.429 h0.25 r270; ASSEMBLY_TOP "100nF" at 112.137,129.979 h0.25 r270
C5126: PIN_NUMBER "2" at 110.585,134.679 h0.25 r180; PIN_NUMBER "1" at 111.485,134.679 h0.25 r180; ASSEMBLY_TOP "100nF" at 110.629,134.552 h0.25 r180
C5127: PIN_NUMBER "2" at 110.927,127.242 h0.25; PIN_NUMBER "1" at 109.527,127.242 h0.25; ASSEMBLY_TOP "10uF" at 109.923,127.115 h0.25 r180
C5128: PIN_NUMBER "2" at 107.443,130.429 h0.25 r90; PIN_NUMBER "1" at 107.443,129.529 h0.25 r90; ASSEMBLY_TOP "100nF" at 107.163,129.979 h0.25 r270
C5129: PIN_NUMBER "2" at 106.439,130.429 h0.25 r90; PIN_NUMBER "1" at 106.439,129.529 h0.25 r90; ASSEMBLY_TOP "100nF" at 106.16,129.979 h0.25 r270
C5130: PIN_NUMBER "2" at 111.457,130.429 h0.25 r90; PIN_NUMBER "1" at 111.457,129.529 h0.25 r90; ASSEMBLY_TOP "1uF" at 111.381,129.979 h0.25 r270
C5131: PIN_NUMBER "2" at 110.453,130.429 h0.25 r90; PIN_NUMBER "1" at 110.453,129.529 h0.25 r90; ASSEMBLY_TOP "100nF" at 110.174,129.979 h0.25 r270
C5132: PIN_NUMBER "2" at 105.381,130.484 h0.25; PIN_NUMBER "1" at 104.481,130.484 h0.25; ASSEMBLY_TOP "1uF" at 104.728,130.357 h0.25 r180
C5133: PIN_NUMBER "2" at 105.381,131.487 h0.25; PIN_NUMBER "1" at 104.481,131.487 h0.25; ASSEMBLY_TOP "100nF" at 104.524,131.36 h0.25 r180
C5134: PIN_NUMBER "2" at 137.932,142.821 h0.25 r90; PIN_NUMBER "1" at 137.932,141.92 h0.25 r90; ASSEMBLY_TOP "100nF" at 137.652,142.371 h0.25 r90
C5135: PIN_NUMBER "2" at 105.381,129.48 h0.25; PIN_NUMBER "1" at 104.481,129.48 h0.25; ASSEMBLY_TOP "1uF" at 104.728,129.353 h0.25 r180
C5136: PIN_NUMBER "2" at 105.381,128.477 h0.25; PIN_NUMBER "1" at 104.481,128.477 h0.25; ASSEMBLY_TOP "100nF" at 104.524,128.35 h0.25 r180
C5137: PIN_NUMBER "2" at 105.381,136.505 h0.25; PIN_NUMBER "1" at 104.481,136.505 h0.25; ASSEMBLY_TOP "1uF" at 104.728,136.378 h0.25 r180
C5138: PIN_NUMBER "2" at 105.381,135.501 h0.25; PIN_NUMBER "1" at 104.481,135.501 h0.25; ASSEMBLY_TOP "100nF" at 104.524,135.374 h0.25 r180
C5139: PIN_NUMBER "2" at 107.415,135.685 h0.25 r270; PIN_NUMBER "1" at 107.415,136.585 h0.25 r270; ASSEMBLY_TOP "4.7uF" at 107.136,136.135 h0.25 r270
C5140: PIN_NUMBER "2" at 109.423,135.685 h0.25 r270; PIN_NUMBER "1" at 109.423,136.585 h0.25 r270; ASSEMBLY_TOP "100nF" at 109.143,136.135 h0.25 r270
C5141: PIN_NUMBER "2" at 106.412,135.685 h0.25 r270; PIN_NUMBER "1" at 106.412,136.585 h0.25 r270; ASSEMBLY_TOP "1uF" at 106.336,136.135 h0.25 r270
C5142: PIN_NUMBER "2" at 108.419,135.685 h0.25 r270; PIN_NUMBER "1" at 108.419,136.585 h0.25 r270; ASSEMBLY_TOP "100nF" at 108.14,136.135 h0.25 r270
C5500: PIN_NUMBER "2" at 78.281,133.267 h0.25 r180; PIN_NUMBER "1" at 79.181,133.267 h0.25 r180; ASSEMBLY_TOP "100nF" at 78.325,133.14 h0.25
C5501: PIN_NUMBER "2" at 86.933,136.995 h0.64 r90; PIN_NUMBER "1" at 86.433,136.995 h0.64 r270; ASSEMBLY_TOP "0.5pF" at 86.429,136.868 h0.25
C5502: PIN_NUMBER "2" at 87.266,144.862 h0.25 r90; PIN_NUMBER "1" at 87.266,143.962 h0.25 r90; ASSEMBLY_TOP "1uF" at 87.19,144.412 h0.25 r270
C5503: PIN_NUMBER "2" at 92.041,130.075 h0.25 r90; PIN_NUMBER "1" at 92.041,128.675 h0.25 r90; ASSEMBLY_TOP "10uF" at 91.863,129.375 h0.25 r270
C5504: PIN_NUMBER "1" at 94.029,128.359 h0.25; PIN_NUMBER "2" at 94.929,128.359 h0.25; ASSEMBLY_TOP "100nF" at 94.073,128.232 h0.25 r180
C5505: PIN_NUMBER "2" at 92.041,131.52 h0.25 r270; PIN_NUMBER "1" at 92.041,132.92 h0.25 r270; ASSEMBLY_TOP "10uF" at 91.863,132.22 h0.25 r270
C5506: PIN_NUMBER "2" at 88.644,130.086 h0.25 r180; PIN_NUMBER "1" at 89.545,130.086 h0.25 r180; ASSEMBLY_TOP "100nF" at 88.688,129.959 h0.25 r180
C5507: PIN_NUMBER "2" at 88.848,133.642 h0.25 r180; PIN_NUMBER "1" at 89.748,133.642 h0.25 r180; ASSEMBLY_TOP "100nF" at 88.891,133.515 h0.25 r180
C5508: PIN_NUMBER "2" at 87.811,134.716 h0.25 r270; PIN_NUMBER "1" at 87.811,135.616 h0.25 r270; ASSEMBLY_TOP "2.2uF" at 87.531,135.166 h0.25 r270
C5509: PIN_NUMBER "2" at 86.808,134.716 h0.25 r270; PIN_NUMBER "1" at 86.808,135.616 h0.25 r270; ASSEMBLY_TOP "100nF" at 86.528,135.166 h0.25 r270
C5510: PIN_NUMBER "2" at 82.026,131.407 h0.25; PIN_NUMBER "1" at 81.126,131.407 h0.25; ASSEMBLY_TOP "2.2uF" at 81.17,131.28 h0.25 r180
C5511: PIN_NUMBER "2" at 88.848,132.626 h0.25 r180; PIN_NUMBER "1" at 89.748,132.626 h0.25 r180; ASSEMBLY_TOP "100nF" at 88.891,132.499 h0.25 r180
C5512: PIN_NUMBER "2" at 94.581,122.321 h0.25 r270; PIN_NUMBER "1" at 94.581,123.221 h0.25 r270; ASSEMBLY_TOP "100nF" at 94.302,122.771 h0.25 r270
C5513: PIN_NUMBER "2" at 84.601,134.873 h0.25 r270; PIN_NUMBER "1" at 84.601,136.273 h0.25 r270; ASSEMBLY_TOP "10uF" at 84.424,135.573 h0.25 r270
C5514: PIN_NUMBER "2" at 85.804,134.716 h0.25 r270; PIN_NUMBER "1" at 85.804,135.616 h0.25 r270; ASSEMBLY_TOP "100nF" at 85.524,135.166 h0.25 r270
C5515: PIN_NUMBER "2" at 77.004,117.851 h0.25 r270; PIN_NUMBER "1" at 77.004,118.751 h0.25 r270; ASSEMBLY_TOP "100pF" at 76.725,118.301 h0.25 r90
C5516: PIN_NUMBER "2" at 88.815,134.716 h0.25 r270; PIN_NUMBER "1" at 88.815,135.616 h0.25 r270; ASSEMBLY_TOP "2.2uF" at 88.535,135.166 h0.25 r270
C5517: PIN_NUMBER "2" at 89.818,134.716 h0.25 r270; PIN_NUMBER "1" at 89.818,135.616 h0.25 r270; ASSEMBLY_TOP "100nF" at 89.539,135.166 h0.25 r270
C5518: PIN_NUMBER "2" at 83.398,134.716 h0.25 r270; PIN_NUMBER "1" at 83.398,135.616 h0.25 r270; ASSEMBLY_TOP "2.2uF" at 83.119,135.166 h0.25 r270
C5519: PIN_NUMBER "2" at 82.395,134.716 h0.25 r270; PIN_NUMBER "1" at 82.395,135.616 h0.25 r270; ASSEMBLY_TOP "100nF" at 82.115,135.166 h0.25 r270
C5520: PIN_NUMBER "2" at 79.443,121.236 h0.25 r90; PIN_NUMBER "1" at 79.443,119.836 h0.25 r90; ASSEMBLY_TOP "10uF" at 79.265,120.536 h0.25 r270
C5521: PIN_NUMBER "2" at 80.865,122.732 h0.25 r270; PIN_NUMBER "1" at 80.865,124.132 h0.25 r270; ASSEMBLY_TOP "22uF" at 80.687,123.432 h0.25 r270
C5522: PIN_NUMBER "2" at 79.443,122.782 h0.25 r270; PIN_NUMBER "1" at 79.443,124.182 h0.25 r270; ASSEMBLY_TOP "10uF" at 79.265,123.482 h0.25 r270
C5523: PIN_NUMBER "2" at 82.026,129.477 h0.25; PIN_NUMBER "1" at 81.126,129.477 h0.25; ASSEMBLY_TOP "100nF" at 81.17,129.35 h0.25 r180
C5524: PIN_NUMBER "2" at 82.026,130.391 h0.25; PIN_NUMBER "1" at 81.126,130.391 h0.25; ASSEMBLY_TOP "100nF" at 81.17,130.264 h0.25 r180
C5525: PIN_NUMBER "2" at 88.644,131.61 h0.25 r180; PIN_NUMBER "1" at 89.545,131.61 h0.25 r180; ASSEMBLY_TOP "100nF" at 88.688,131.483 h0.25 r180
C5526: PIN_NUMBER "2" at 90.923,134.716 h0.25 r270; PIN_NUMBER "1" at 90.923,135.616 h0.25 r270; ASSEMBLY_TOP "100nF" at 90.644,135.166 h0.25 r270
C5527: PIN_NUMBER "2" at 81.086,134.716 h0.25 r270; PIN_NUMBER "1" at 81.086,135.616 h0.25 r270; ASSEMBLY_TOP "100nF" at 80.807,135.166 h0.25 r270